# KiCad board SparkFun_BlueSMiRF-ESP32_panelized.kicad_pcb (continued)
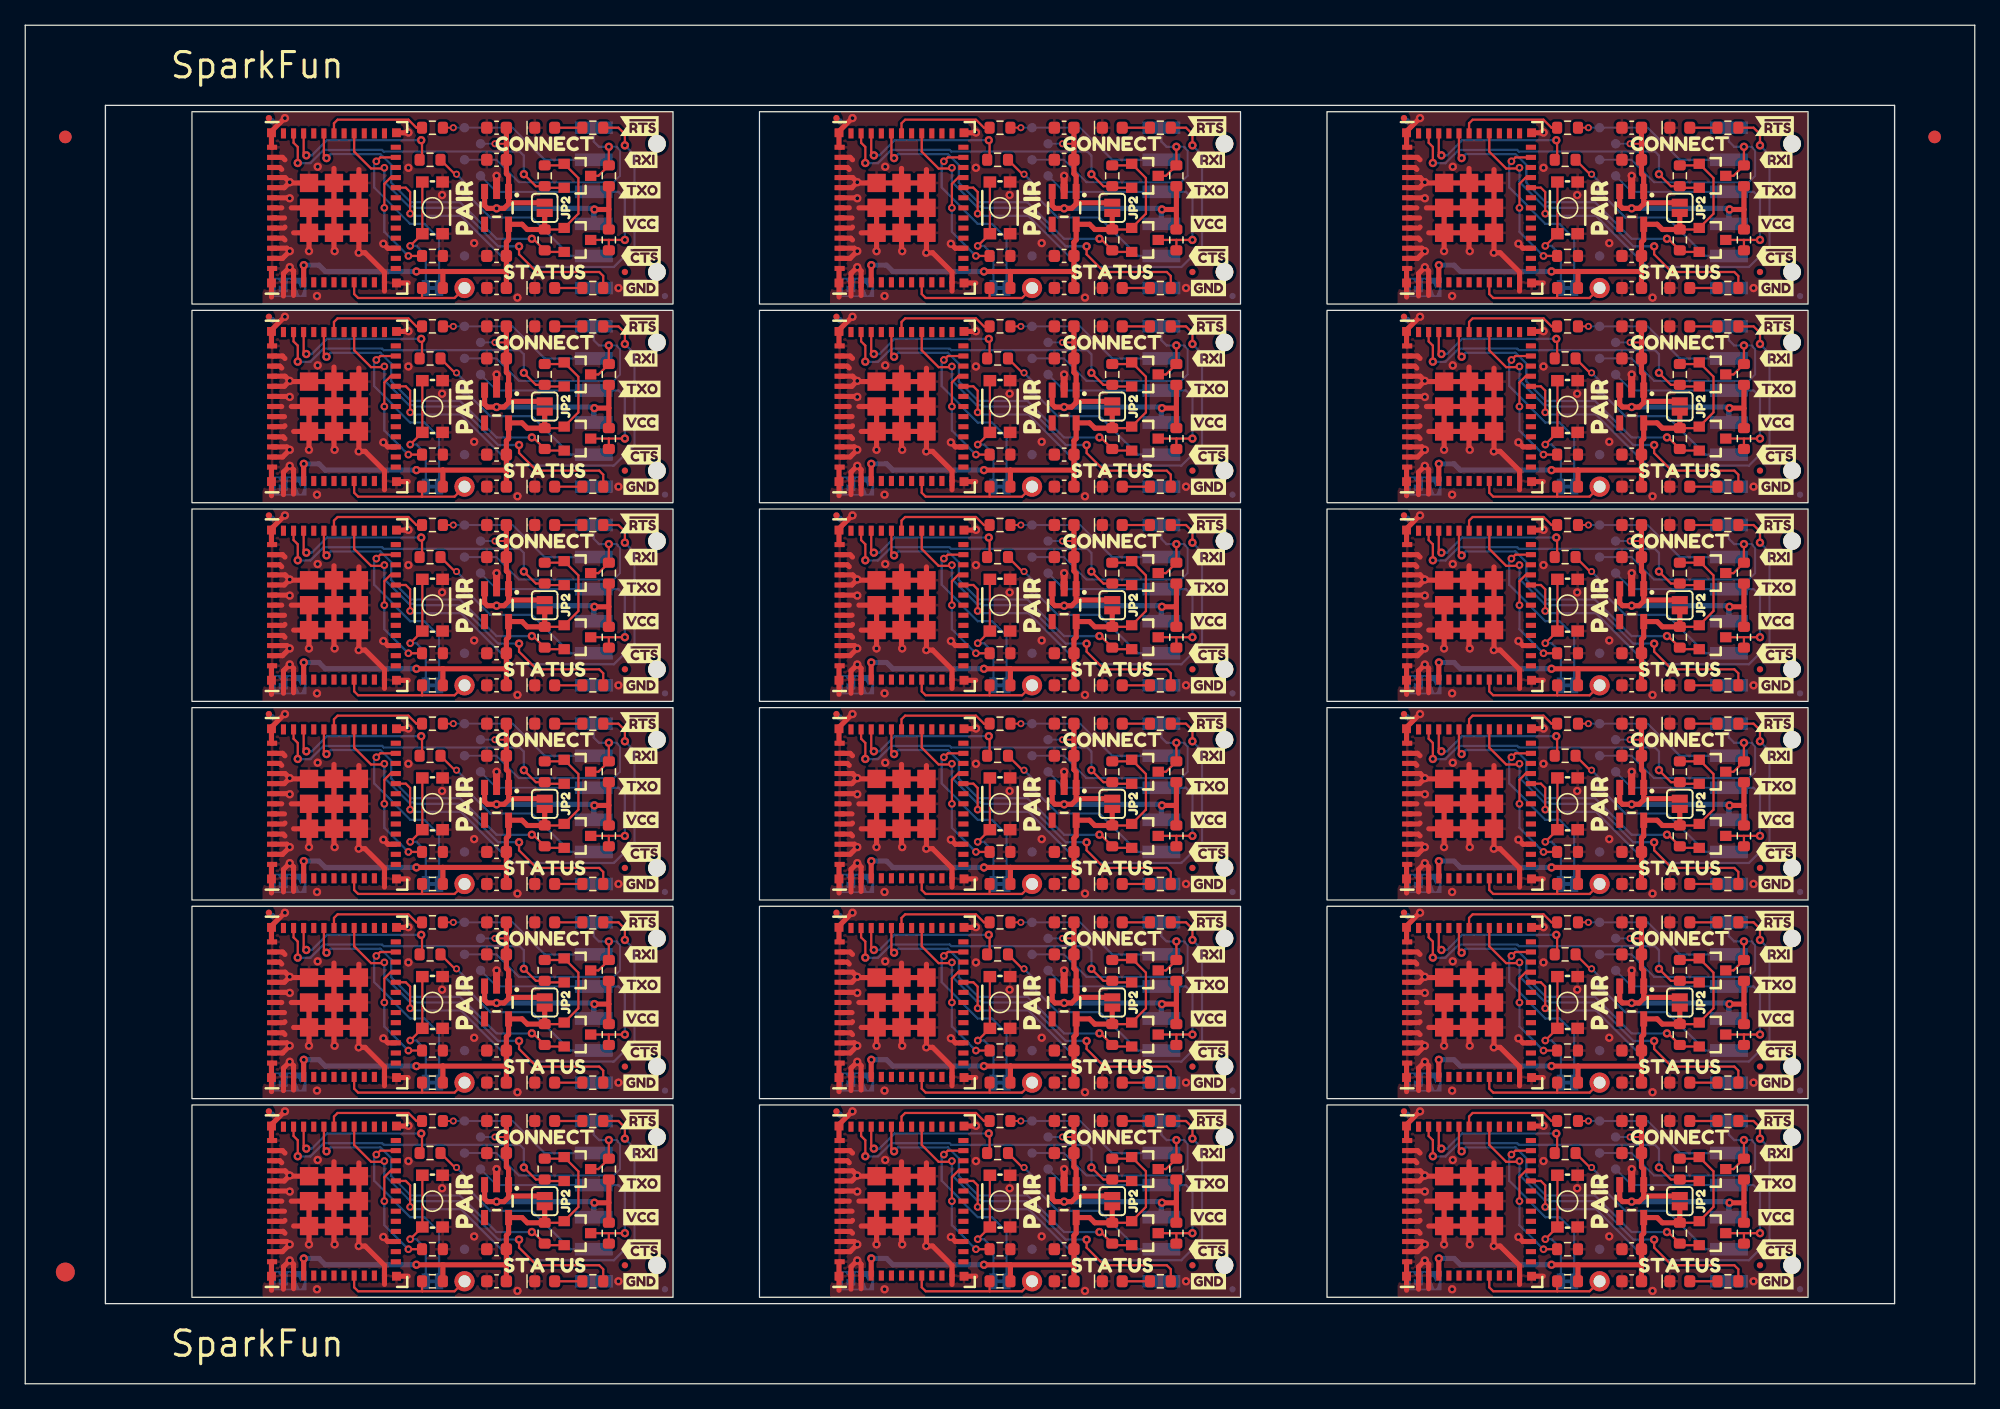
[diagram p0: board, top side]
## Routing (per net, layer and track width the routed paths; a pad name or vN(x,y) marks a point on that pad's centre or on a via; arc(x,y) is an arc through that point) (continued)
  Top w0.406: U1#15.49.2 U1#15.49.9 ; U1#15.49.2 114.35,74.05 v1(114.4,74) ; U1#15.49.2 U1#15.49.3 ; U1#15.49.2 U1#15.49.1 ; U1#15.49.9 U1#15.49.6 ; U1#15.49.9 U1#15.49.4 ; U1#15.49.9 U1#15.49.8 ; U1.49.3 71.38,42.41 v1(71.36,42.39) 71.86,42.39 73.4,40.86 U1.11 73.4,39.36 ; U1.49.3 U1.49.2 ; U1.49.3 U1.49.4 ; v1(28.36,27.37) 28.72,27.01 U1#4.14 ; U1#6.52 120.23,55.74 ; 112.38,59.72 112.38,58.27 v1(112.37,58.26) ; 112.38,59.72 111.16,59.72 ; 112.38,59.72 114.35,59.72 ; 112.38,59.72 U1#6.49.8 ; U1#12.41 65.86,15.27 v1(65.9,15.23) ; U1#10.48 109.4,9.62 U1#10.53 109.4,7.41 ; 69.4,59.72 71.38,59.72 ; 69.4,59.72 69.4,58.31 v1(69.45,58.26) ; 69.4,59.72 67.42,59.72 ; 69.4,59.72 U1#14.49.9 ; 71.38,59.72 U1#14.49.4 ; 71.38,59.72 71.38,58.15 v1(71.36,58.13) 71.86,58.13 73.4,56.6 U1#14.11 73.4,55.1 ; U1#7.49.1 U1#7.49.2 ; U1#7.49.1 111.16,91.2 ; U1#7.49.1 112.38,89.75 v1(112.37,89.74) ; U1#7.49.1 U1#7.49.8 ; U1#7.49.2 114.35,89.79 v1(114.4,89.74) ; U1#7.49.2 U1#7.49.9 ; U1#7.49.2 U1#7.49.3 ; U1#9.49.5 U1#9.49.4 ; U1#9.49.5 U1#9.49.6 ; U1#9.49.5 26.42,80.46 ; U1#9.49.4 U1#9.49.9 ; U1#9.49.4 U1#9.49.3 ; v1(110.85,72.73) 110.35,72.23 U1#15.1 110.35,70.46 ; v1(110.85,72.73) 111.15,72.43 U1#15.2 111.15,70.49 ; v1(110.85,72.73) 110.75,72.63 ; 20.49,44.35 20.57,44.43 ; 67.42,14.47 66.02,14.47 ; 67.42,14.47 U1#12.49.9 ; 67.42,14.47 67.42,12.5 ; v1(65.9,47.98) 65.53,48.35 U1.39 ; v1(65.9,47.98) 65.47,47.55 U1.40 ; v1(65.9,47.98) 65.95,47.93 69.4,47.93 ; v1(65.9,95.2) 65.95,95.15 U1#2.49.6 ; v1(65.9,95.2) 65.53,95.57 U1#2.39 ; v1(65.9,95.2) 65.47,94.77 U1#2.40 ; U1#11.36 19.5,66.54 U1#11.50 19.5,67.76 20.54,68.8 v1(20.57,68.8) ; U1#12.52 75.28,8.52 ; v1(69.45,42.52) 69.4,42.57 U1.49.2 ; U1#12.49.6 U1#12.49.5 ; U1#12.49.6 U1#12.49.9 ; U1#12.49.6 65.95,16.45 v1(65.9,16.5) ; U1#12.49.6 69.4,17.59 ; U1#12.49.5 U1#12.49.4 ; U1#12.49.5 71.38,17.5 ; U1#15.39 110.48,79.83 v1(110.85,79.46) ; U1#16.49.2 U1#16.49.3 ; U1#16.49.2 U1#16.49.9 ; U1#16.49.2 24.45,42.57 v1(24.5,42.52) ; U1#16.49.2 U1#16.49.1 ; U1#16.49.3 26.42,42.41 v1(26.41,42.39) 26.91,42.39 28.45,40.86 U1#16.11 28.45,39.36 ; U1#16.49.3 U1#16.49.4 ; 20.31,80.48 20.16,80.63 U1#9.38 ; 110.47,27.67 110.33,27.81 U1#17.45 ; v1(110.85,16.5) 110.9,16.45 U1#10.49.7 U1#10.49.6 ; v1(110.85,16.5) 110.41,16.07 U1#10.40 ; v1(110.85,16.5) 110.48,16.87 U1#10.39 ; U1#3.36 19.5,19.32 U1#3.50 19.5,20.54 20.54,21.58 v1(20.57,21.58) ; U1#5.49.5 71.38,33.24 ; U1#5.49.5 U1#5.49.4 ; U1#5.49.5 U1#5.49.6 ; 114.35,12.5 114.35,11.09 v1(114.4,11.04) ; 114.35,12.5 116.32,12.5 ; 114.35,12.5 U1#10.49.9 ; 114.35,12.5 112.38,12.5 ; v1(20.95,78.19) 20.91,78.23 U1#9.41 ; U1#3.49.5 26.42,17.5 ; U1#3.49.5 U1#3.49.4 ; U1#3.49.5 U1#3.49.6 ; U1#16.46 20.72,42.75 v1(20.95,42.52) 20.38,41.95 U1#16.47 ; U1#6.41 110.81,62.49 v1(110.85,62.45) ; U1#11.49.6 24.45,64.81 ; U1#11.49.6 U1#11.49.7 21,63.67 v1(20.95,63.72) ; U1#11.49.6 U1#11.49.9 ; U1#11.49.6 U1#11.49.5 ; 64.45,70.37 U1#13.53 64.45,72.58 U1#13.48 ; U1#5.49.4 U1#5.49.9 ; U1#5.49.4 U1#5.49.3 ; v1(20.95,56.99) 20.45,56.49 U1#11.1 20.45,54.72 ; v1(20.95,56.99) 21.25,56.69 U1#11.2 21.25,54.75 ; v1(20.95,56.99) 20.85,56.89 ; v1(20.95,9.77) 21.25,9.47 U1#3.2 21.25,7.53 ; v1(20.95,9.77) 20.45,9.27 U1#3.1 20.45,7.5 ; v1(20.95,9.77) 20.85,9.67 ; U1#17.46 110.62,27.01 v1(110.85,26.78) 110.28,26.21 U1#17.47 ; U1#11.49.5 26.42,64.72 ; U1#11.49.5 U1#11.49.4 ; U1#16.52 30.33,40 ; 65.4,23.24 U1#5.1 65.4,25.01 v1(65.9,25.51) ; U1#3.52 30.33,8.52 ; v1(110.85,47.98) 110.48,48.35 U1#8.39 ; v1(110.85,47.98) 110.9,47.93 114.35,47.93 ; v1(110.85,47.98) 110.41,47.55 U1#8.40 ; U1#16.39 20.58,48.35 v1(20.95,47.98) ; v1(20.57,100.28) 20.54,100.28 19.5,99.24 U1#18.50 19.5,98.02 U1#18.36 ; v1(28.36,11.63) 28.72,11.27 U1#3.14 ; U1#9.49.6 U1#9.49.7 21,79.41 v1(20.95,79.46) ; U1#9.49.6 U1#9.49.9 ; U1#9.49.6 24.45,80.55 ; U1#14.49.4 U1#14.49.9 ; U1#14.49.4 U1#14.49.5 ; U1#14.49.9 67.42,61.69 ; U1#14.49.9 U1#14.49.6 ; 114.35,59.72 U1#6.49.9 ; 114.35,59.72 114.35,58.31 v1(114.4,58.26) ; 114.35,59.72 116.32,59.72 ; U1#6.49.9 U1#6.49.8 ; U1#6.49.9 U1#6.49.4 ; U1#6.49.9 U1#6.49.6 ; U1#17.38 110.06,33.41 110.21,33.26 ; U1.48 64.45,41.1 U1.53 64.45,38.89 ; U1#12.38 65.11,17.67 65.26,17.52 ; 22.47,12.5 24.45,12.5 ; 22.47,12.5 22.47,11.05 v1(22.47,11.04) ; 22.47,12.5 21.26,12.5 ; 22.47,12.5 U1#3.49.8 ; 24.45,12.5 24.45,11.09 v1(24.5,11.04) ; 24.45,12.5 U1#3.49.9 ; 24.45,12.5 26.42,12.5 ; U1#6.49.6 U1#6.49.5 ; U1#6.49.6 114.35,64.81 ; U1#6.49.6 U1#6.49.7 110.9,63.67 v1(110.85,63.72) ; U1#6.49.5 U1#6.49.4 ; U1#6.49.5 116.32,64.72 ; U1#7.49.5 116.32,96.2 ; U1#7.49.5 U1#7.49.6 ; U1#7.49.5 U1#7.49.4 ; U1#18.49.2 U1#18.49.3 ; U1#18.49.2 U1#18.49.1 ; U1#18.49.2 U1#18.49.9 ; U1#18.49.2 24.45,89.79 v1(24.5,89.74) ; U1#18.49.3 U1#18.49.4 ; U1#18.49.3 26.42,89.63 v1(26.41,89.61) 26.91,89.61 28.45,88.08 U1#18.11 28.45,86.58 ; 65.44,12.87 65.52,12.95 ; U1#16.49.4 U1#16.49.9 ; U1#16.49.4 26.42,47.93 ; U1#16.49.9 24.45,47.93 ; U1#16.49.9 U1#16.49.8 ; 24.45,47.93 24.45,49.07 ; 24.45,47.93 26.42,47.93 ; 24.45,47.93 21,47.93 v1(20.95,47.98) ; v1(65.9,32.24) 65.47,31.81 U1#5.40 ; v1(65.9,32.24) 65.95,32.19 U1#5.49.6 ; v1(65.9,32.24) 65.53,32.61 U1#5.39 ; U1#8.49.2 U1#8.49.9 ; U1#8.49.2 114.35,42.57 v1(114.4,42.52) ; U1#8.49.2 U1#8.49.3 ; U1#8.49.2 U1#8.49.1 ; U1#8.49.9 U1#8.49.8 ; U1#8.49.9 U1#8.49.4 ; U1#8.49.9 114.35,47.93 ; U1#3.51 30.45,20.42 ; U1#9.49.1 U1#9.49.8 ; U1#9.49.1 22.47,74.01 v1(22.47,74) ; U1#9.49.1 U1#9.49.2 ; U1#9.49.1 21.26,75.46 ; U1#9.49.8 21.07,77.43 ; U1#9.49.8 U1#9.49.9 ; U1#2.46 65.67,89.97 v1(65.9,89.74) 65.33,89.17 U1#2.47 ; U1#6.43 110.43,60.89 ; 69.4,12.5 71.38,12.5 ; 69.4,12.5 U1#12.49.9 ; 69.4,12.5 67.42,12.5 ; 69.4,12.5 69.4,11.09 v1(69.45,11.04) ; 71.38,12.5 U1#12.49.4 ; 71.38,12.5 71.38,10.93 v1(71.36,10.91) 71.86,10.91 73.4,9.38 U1#12.11 73.4,7.88 ; U1#4.49.2 24.45,26.83 v1(24.5,26.78) ; U1#4.49.2 U1#4.49.3 ; U1#4.49.2 U1#4.49.9 ; U1#4.49.2 U1#4.49.1 ; 26.42,59.72 26.42,58.15 v1(26.41,58.13) 26.91,58.13 28.45,56.6 U1#11.11 28.45,55.1 ; 26.42,59.72 U1#11.49.4 ; 26.42,59.72 24.45,59.72 ; U1#10.37 110.28,18.47 110.47,18.28 ; U1#14.38 65.11,64.89 65.26,64.74 ; 20.31,64.74 20.16,64.89 U1#11.38 ; U1#9.49.2 U1#9.49.3 ; U1#9.49.2 24.45,74.05 v1(24.5,74) ; U1#9.49.2 U1#9.49.9 ; U1#9.49.3 26.42,73.89 v1(26.41,73.87) 26.91,73.87 28.45,72.34 U1#9.11 28.45,70.84 ; v1(65.52,53.06) 65.49,53.06 64.45,52.02 U1.50 64.45,50.8 U1.36 ; U1#5.52 75.28,24.26 ; U1#2.49.4 U1#2.49.3 ; U1#2.49.4 U1#2.49.5 ; U1#2.49.4 U1#2.49.9 ; U1#2.49.3 U1#2.49.2 ; U1#2.49.3 71.38,89.63 v1(71.36,89.61) 71.86,89.61 73.4,88.08 U1#2.11 73.4,86.58 ; U1#12.49.4 U1#12.49.9 ; v1(65.52,68.8) 65.49,68.8 64.45,67.76 U1#14.50 64.45,66.54 U1#14.36 ; v1(110.85,9.77) 110.35,9.27 U1#10.1 110.35,7.5 ; v1(110.85,9.77) 111.15,9.47 U1#10.2 111.15,7.53 ; v1(110.85,9.77) 110.75,9.67 ; 21.25,86.23 U1#18.2 21.25,88.17 v1(20.95,88.47) ; U1#17.43 110.43,29.41 ; 110.39,91.57 110.47,91.65 ; 67.42,28.24 67.42,26.79 v1(67.42,26.78) ; 67.42,28.24 66.21,28.24 ; 67.42,28.24 U1#5.49.2 ; 67.42,28.24 67.42,30.21 ; U1#14.49.5 71.38,64.72 ; U1#14.49.5 U1#14.49.6 ; 21.25,70.49 U1#9.2 21.25,72.43 v1(20.95,72.73) ; U1.49.2 U1.49.9 ; U1.49.2 67.42,43.98 ; 20.31,33.26 20.16,33.41 U1#4.38 ; U1#14.43 65.48,60.89 ; U1#6.48 109.4,56.84 U1#6.53 109.4,54.63 ; U1#3.49.9 U1#3.49.8 ; U1#3.49.9 U1#3.49.4 ; U1#3.49.9 U1#3.49.6 ; U1#3.49.8 21.07,14.47 ; v1(65.9,41.25) 65.4,40.75 U1.1 65.4,38.98 ; v1(65.9,41.25) 65.8,41.15 ; v1(65.9,41.25) 66.2,40.95 U1.2 66.2,39.01 ; 110.35,86.2 U1#7.1 110.35,87.97 v1(110.85,88.47) ; U1#18.52 30.33,87.22 ; U1#11.52 30.33,55.74 ; U1#13.41 65.86,78.23 v1(65.9,78.19) ; U1#2.49.5 71.38,96.2 ; U1#2.49.5 U1#2.49.6 ; v1(118.26,11.63) 118.62,11.27 U1#10.14 ; U1#18.45 20.43,90.77 20.57,90.63 ; U1#16.49.1 21.26,43.98 ; U1#16.49.1 22.47,42.53 v1(22.47,42.52) ; U1#16.49.1 U1#16.49.8 ; U1#15.49.6 U1#15.49.7 110.9,79.41 v1(110.85,79.46) ; U1#15.49.6 U1#15.49.5 ; U1#15.49.6 114.35,80.55 ; U1#18.49.8 21.07,93.17 ; U1#18.49.8 U1#18.49.1 ; U1#18.49.8 U1#18.49.9 ; U1#17.49.4 U1#17.49.9 ; U1#17.49.4 U1#17.49.3 ; U1#17.49.4 U1#17.49.5 ; U1#17.49.9 U1#17.49.2 ; U1#17.49.9 U1#17.49.8 ; U1#17.49.9 U1#17.49.6 ; U1#15.52 120.23,71.48 ; v1(69.45,74) 69.4,74.05 U1#13.49.2 ; U1#7.49.9 U1#7.49.6 ; U1#7.49.9 U1#7.49.8 ; U1#7.49.9 U1#7.49.4 ; U1#7.49.6 U1#7.49.7 110.9,95.15 v1(110.85,95.2) ; U1#7.49.6 114.35,96.29 ; U1#15.49.8 110.97,77.43 ; U1#15.49.8 U1#15.49.1 ; 24.45,59.72 U1#11.49.9 ; 24.45,59.72 22.47,59.72 ; 24.45,59.72 24.45,58.31 v1(24.5,58.26) ; U1#11.49.9 U1#11.49.8 ; U1#11.49.9 U1#11.49.4 ; U1#4.48 19.5,25.36 U1#4.53 19.5,23.15 ; U1#6.42 110.21,61.69 ; U1#17.49.6 114.35,33.33 ; U1#17.49.6 U1#17.49.5 ; U1#17.49.6 U1#17.49.7 110.9,32.19 v1(110.85,32.24) ; U1#4.37 20.38,34.21 20.57,34.02 ; U1#17.48 109.4,25.36 U1#17.53 109.4,23.15 ; U1#5.51 75.4,36.16 ; U1#4.36 19.5,35.06 U1#4.50 19.5,36.28 20.54,37.32 v1(20.57,37.32) ; 66.2,86.23 U1#2.2 66.2,88.17 v1(65.9,88.47) ; v1(110.85,88.47) 111.15,88.17 U1#7.2 111.15,86.23 ; v1(110.85,88.47) 110.75,88.37 ; 110.39,28.61 110.47,28.69 ; v1(73.31,43.11) 73.67,42.75 U1.14 ; 66.2,54.75 U1#14.2 66.2,56.69 v1(65.9,56.99) ; U1.49.9 U1.49.4 ; U1.49.9 67.42,45.95 ; U1.49.9 69.4,47.93 ; v1(65.9,46.71) 65.86,46.75 U1.41 ; U1#2.44 65.26,91.57 ; 67.42,75.46 U1#13.49.2 ; 67.42,75.46 66.21,75.46 ; 67.42,75.46 67.42,77.43 ; 67.42,75.46 67.42,74.01 v1(67.42,74) ; U1#13.49.2 U1#13.49.9 ; U1#13.49.2 U1#13.49.3 ; v1(110.85,79.46) 110.41,79.03 U1#15.40 ; 67.42,91.2 67.42,93.17 ; 67.42,91.2 66.21,91.2 ; 67.42,91.2 U1#2.49.2 ; 67.42,91.2 67.42,89.75 v1(67.42,89.74) ; 67.42,93.17 66.02,93.17 ; 67.42,93.17 U1#2.49.9 ; 26.42,47.93 26.42,48.98 ; U1#18.49.1 22.47,89.75 v1(22.47,89.74) ; U1#18.49.1 21.26,91.2 ; v1(20.57,53.06) 20.54,53.06 19.5,52.02 U1#16.50 19.5,50.8 U1#16.36 ; U1#9.42 20.31,77.43 ; v1(20.95,95.2) 21,95.15 U1#18.49.7 U1#18.49.6 ; v1(20.95,95.2) 20.58,95.57 U1#18.39 ; v1(20.95,95.2) 20.51,94.77 U1#18.40 ; U1#6.49.8 110.97,61.69 ; U1.42 65.26,45.95 ; U1#7.49.4 U1#7.49.3 ; U1#7.49.3 116.32,89.63 v1(116.31,89.61) 116.81,89.61 118.35,88.08 U1#7.11 118.35,86.58 ; 20.57,81.24 20.38,81.43 U1#9.37 ; U1#3.44 20.31,12.87 ; U1.45 65.38,43.55 65.52,43.41 ; U1.49.4 71.38,47.93 ; 20.57,65.5 20.38,65.69 U1#11.37 ; 110.47,90.63 110.33,90.77 U1#7.45 ; 20.85,25.41 v1(20.95,25.51) ; v1(20.95,25.51) 20.45,25.01 U1#4.1 20.45,23.24 ; v1(20.95,25.51) 21.25,25.21 U1#4.2 21.25,23.27 ; U1#15.49.5 U1#15.49.4 ; U1#15.49.5 116.32,80.46 ; U1#15.49.4 U1#15.49.3 ; U1#18.49.4 U1#18.49.5 ; U1#18.49.4 U1#18.49.9 ; U1#2.43 65.48,92.37 ; U1#3.40 20.51,16.07 v1(20.95,16.5) ; U1#17.49.2 U1#17.49.3 ; U1#17.49.2 U1#17.49.1 ; U1#17.49.2 114.35,26.83 v1(114.4,26.78) ; U1#18.49.5 26.42,96.2 ; U1#18.49.5 U1#18.49.6 ; 118.35,55.1 U1#6.11 118.35,56.6 116.81,58.13 v1(116.31,58.13) 116.32,58.15 116.32,59.72 ; U1#18.38 20.16,96.37 20.31,96.22 ; U1#2.49.2 U1#2.49.9 ; U1#2.49.2 69.4,89.79 v1(69.45,89.74) ; U1#8.49.8 110.97,45.95 ; U1#8.49.8 U1#8.49.1 ; 19.5,7.41 U1#3.53 19.5,9.62 U1#3.48 ; 110.47,81.24 110.28,81.43 U1#15.37 ; 20.57,27.67 20.43,27.81 U1#4.45 ; 20.31,17.52 20.16,17.67 U1#3.38 ; 116.32,12.5 U1#10.49.4 ; 116.32,12.5 116.32,10.93 v1(116.31,10.91) 116.81,10.91 118.35,9.38 U1#10.11 118.35,7.88 ; v1(73.31,27.37) 73.67,27.01 U1#5.14 ; U1#14.14 73.67,58.49 v1(73.31,58.85) ; U1#8.41 110.81,46.75 v1(110.85,46.71) ; U1#5.49.6 69.4,33.33 ; U1#5.49.6 U1#5.49.9 ; U1#18.49.6 24.45,96.29 ; U1#18.49.6 U1#18.49.9 ; 20.57,11.93 20.43,12.07 U1#3.45 ; 67.42,61.69 66.02,61.69 ; 67.42,61.69 67.42,59.72 ; U1#8.49.4 U1#8.49.3 ; U1#8.49.4 116.32,47.93 ; 65.52,74.89 65.38,75.03 U1#13.45 ; U1#17.39 110.48,32.61 v1(110.85,32.24) ; 20.57,96.98 20.38,97.17 U1#18.37 ; v1(20.95,79.46) 20.51,79.03 U1#9.40 ; v1(20.95,79.46) 20.58,79.83 U1#9.39 ; U1#16.37 20.38,49.95 20.57,49.76 ; U1#6.49.4 116.32,59.72 ; v1(110.85,41.25) 111.15,40.95 U1#8.2 111.15,39.01 ; v1(110.85,41.25) 110.35,40.75 U1#8.1 110.35,38.98 ; v1(110.85,41.25) 110.75,41.15 ; v1(65.9,56.99) 65.4,56.49 U1#14.1 65.4,54.72 ; v1(65.9,56.99) 65.8,56.89 ; U1#14.37 65.33,65.69 65.52,65.5 ; U1#12.40 65.47,16.07 v1(65.9,16.5) ; U1#4.49.5 26.42,33.24 ; U1#4.49.5 U1#4.49.4 ; U1#4.49.5 U1#4.49.6 ; U1#4.42 20.31,30.21 ; U1#2.45 65.38,90.77 65.52,90.63 ; U1#12.45 65.38,12.07 65.52,11.93 ; U1#7.49.8 110.97,93.17 ; U1#15.51 120.35,83.38 ; U1.46 65.67,42.75 v1(65.9,42.52) 65.33,41.95 U1.47 ; U1#3.41 20.91,15.27 v1(20.95,15.23) ; U1#16.49.8 21.07,45.95 ; v1(65.9,88.47) 65.4,87.97 U1#2.1 65.4,86.2 ; v1(65.9,88.47) 65.8,88.37 ; U1#13.49.9 67.42,77.43 ; U1#13.49.9 U1#13.49.4 ; U1#13.49.9 U1#13.49.6 ; 118.35,39.36 U1#8.11 118.35,40.86 116.81,42.39 v1(116.31,42.39) 116.32,42.41 U1#8.49.3 ; 64.45,54.63 U1#14.53 64.45,56.84 U1#14.48 ; U1#13.49.6 65.95,79.41 v1(65.9,79.46) ; U1#13.49.6 69.4,80.55 ; U1#13.49.6 U1#13.49.5 ; 65.26,80.48 65.11,80.63 U1#13.38 ; U1#13.14 73.67,74.23 v1(73.31,74.59) ; v1(110.47,21.58) 110.44,21.58 109.4,20.54 U1#10.50 109.4,19.32 U1#10.36 ; 71.38,47.93 69.4,47.93 ; 71.38,47.93 71.38,48.98 ; v1(20.95,62.45) 20.91,62.49 U1#11.41 ; 110.39,12.87 110.47,12.95 ; U1#5.49.2 69.4,26.83 v1(69.45,26.78) ; U1#5.49.2 U1#5.49.9 ; U1#5.49.2 U1#5.49.3 ; U1#5.43 65.48,29.41 ; U1#15.49.3 116.32,73.89 v1(116.31,73.87) 116.81,73.87 118.35,72.34 U1#15.11 118.35,70.84 ; 65.52,27.67 65.38,27.81 U1#5.45 ; 22.47,59.72 22.47,58.27 v1(22.47,58.26) ; 22.47,59.72 U1#11.49.8 ; 22.47,59.72 21.26,59.72 ; 20.45,38.98 U1#16.1 20.45,40.75 v1(20.95,41.25) ; U1#5.49.9 67.42,30.21 ; 67.42,30.21 66.02,30.21 ; U1#2.49.6 69.4,96.29 ; U1#2.49.6 U1#2.49.9 ; U1#2.38 65.11,96.37 65.26,96.22 ; U1#16.43 20.53,45.15 ; v1(110.47,84.54) 110.44,84.54 109.4,83.5 U1#15.50 109.4,82.28 U1#15.36 ; v1(67.42,58.26) 67.42,58.27 67.42,59.72 ; U1#16.48 19.5,41.1 U1#16.53 19.5,38.89 ; v1(112.37,74) 112.38,74.01 U1#15.49.1 ; 111.15,23.27 U1#17.2 111.15,25.21 v1(110.85,25.51) ; v1(20.95,47.98) 20.51,47.55 U1#16.40 ; v1(110.85,63.72) 110.41,63.29 U1#6.40 ; v1(110.85,63.72) 110.48,64.09 U1#6.39 ; U1#2.37 65.33,97.17 65.52,96.98 ; v1(112.37,26.78) 112.38,26.79 U1#17.49.1 ; v1(65.9,79.46) 65.47,79.03 U1#13.40 ; v1(65.9,79.46) 65.53,79.83 U1#13.39 ; 114.35,47.93 116.32,47.93 ; 114.35,47.93 114.35,49.07 ; 67.42,12.5 67.42,11.05 v1(67.42,11.04) ; 67.42,12.5 66.21,12.5 ; U1#14.49.6 69.4,64.81 ; U1#14.49.6 65.95,63.67 v1(65.9,63.72) ; v1(20.95,63.72) 20.51,63.29 U1#11.40 ; v1(20.95,63.72) 20.58,64.09 U1#11.39 ; U1#17.49.3 116.32,26.67 v1(116.31,26.65) 116.81,26.65 118.35,25.12 U1#17.11 118.35,23.62 ; U1#6.14 118.62,58.49 v1(118.26,58.85) ; U1#10.41 110.81,15.27 v1(110.85,15.23) ; U1#18.46 20.72,89.97 v1(20.95,89.74) 20.38,89.17 U1#18.47 ; U1#18.51 30.45,99.12 ; v1(65.9,63.72) 65.47,63.29 U1#14.40 ; v1(65.9,63.72) 65.53,64.09 U1#14.39 ; U1#3.49.6 24.45,17.59 ; U1#3.49.6 U1#3.49.7 21,16.45 v1(20.95,16.5) ; U1#11.49.8 21.07,61.69 ; U1#17.49.1 U1#17.49.8 ; U1#17.49.1 111.16,28.24 ; U1#4.49.4 U1#4.49.3 ; U1#4.49.4 U1#4.49.9 ; U1#4.49.3 26.42,26.67 v1(26.41,26.65) 26.91,26.65 28.45,25.12 U1#4.11 28.45,23.62 ; 67.42,77.43 66.02,77.43 ; 110.47,59.15 110.33,59.29 U1#6.45 ; U1#9.44 20.31,75.83 ; U1#15.38 110.06,80.63 110.21,80.48 ; U1#7.14 118.62,89.97 v1(118.26,90.33) ; 19.5,86.11 U1#18.53 19.5,88.32 U1#18.48 ; U1#15.47 110.28,73.43 v1(110.85,74) 110.62,74.23 U1#15.46 ; v1(65.52,84.54) 65.49,84.54 64.45,83.5 U1#13.50 64.45,82.28 U1#13.36 ; U1#10.49.6 114.35,17.59 ; U1#10.49.6 U1#10.49.9 ; U1#10.49.6 U1#10.49.5 ; U1.51 75.4,51.9 ; U1#4.49.9 U1#4.49.6 ; U1#4.49.9 U1#4.49.8 ; U1#10.49.5 116.32,17.5 ; U1#10.49.5 U1#10.49.4 ; U1#17.49.8 110.97,30.21 ; 112.38,12.5 112.38,11.05 v1(112.37,11.04) ; 112.38,12.5 111.16,12.5 ; 112.38,12.5 U1#10.49.8 ; v1(110.85,25.51) 110.35,25.01 U1#17.1 110.35,23.24 ; v1(110.85,25.51) 110.75,25.41 ; U1#9.14 28.72,74.23 v1(28.36,74.59) ; 116.32,47.93 116.32,48.98 ; U1#3.43 20.53,13.67 ; U1#13.47 65.33,73.43 v1(65.9,74) 65.67,74.23 U1#13.46 ; v1(20.57,84.54) 20.54,84.54 19.5,83.5 U1#9.50 19.5,82.28 U1#9.36 ; U1#13.52 75.28,71.48 ; v1(110.85,56.99) 111.15,56.69 U1#6.2 111.15,54.75 ; v1(110.85,56.99) 110.35,56.49 U1#6.1 110.35,54.72 ; v1(110.85,56.99) 110.75,56.89 ; 20.85,41.15 v1(20.95,41.25) ; v1(20.95,41.25) 21.25,40.95 U1#16.2 21.25,39.01 ; 20.85,72.63 v1(20.95,72.73) ; v1(20.95,72.73) 20.45,72.23 U1#9.1 20.45,70.46 ; v1(110.85,32.24) 110.41,31.81 U1#17.40 ; U1#13.51 75.4,83.38 ; U1#7.43 110.43,92.37 ; U1#10.49.9 U1#10.49.8 ; U1#10.49.9 U1#10.49.4 ; U1#10.49.8 110.97,14.47 ; U1#15.14 118.62,74.23 v1(118.26,74.59) ; 110.21,64.74 110.06,64.89 U1#6.38 ; 109.4,70.37 U1#15.53 109.4,72.58 U1#15.48 ; U1#2.48 64.45,88.32 U1#2.53 64.45,86.11 ; 109.4,38.89 U1#8.53 109.4,41.1 U1#8.48 ; U1#11.45 20.43,59.29 20.57,59.15 ; v1(110.47,53.06) 110.44,53.06 109.4,52.02 U1#8.50 109.4,50.8 U1#8.36 ; U1#4.49.1 U1#4.49.8 ; U1#4.49.1 22.47,26.79 v1(22.47,26.78) ; U1#4.49.1 21.26,28.24 ; U1#4.49.8 21.07,30.21 ; 19.5,70.37 U1#9.53 19.5,72.58 U1#9.48 ; U1#10.51 120.35,20.42 ; U1#5.44 65.26,28.61 ; v1(65.9,93.93) 65.86,93.97 U1#2.41 ; 69.4,47.93 69.4,49.07 ; v1(28.36,58.85) 28.72,58.49 U1#11.14 ; 26.42,12.5 26.42,10.93 v1(26.41,10.91) 26.91,10.91 28.45,9.38 U1#3.11 28.45,7.88 ; 26.42,12.5 U1#3.49.4 ; 66.2,7.53 U1#12.2 66.2,9.47 v1(65.9,9.77) ; U1#16.45 20.43,43.55 20.57,43.41 ; U1#12.48 64.45,9.62 U1#12.53 64.45,7.41 ; v1(65.9,9.77) 65.4,9.27 U1#12.1 65.4,7.5 ; v1(65.9,9.77) 65.8,9.67 ; U1#16.42 20.31,45.95 ; 20.57,74.89 20.43,75.03 U1#9.45 ; U1#17.42 110.21,30.21 ; v1(118.26,27.37) 118.62,27.01 U1#17.14 ; U1#4.41 20.91,31.01 v1(20.95,30.97) ; U1#13.49.3 71.38,73.89 v1(71.36,73.87) 71.86,73.87 73.4,72.34 U1#13.11 73.4,70.84 ; U1#13.49.3 U1#13.49.4 ; U1#17.36 109.4,35.06 U1#17.50 109.4,36.28 110.44,37.32 v1(110.47,37.32) ; v1(112.37,42.52) 112.38,42.53 U1#8.49.1 ; U1#17.52 120.23,24.26 ; U1#4.49.6 24.45,33.33 ; U1#4.49.6 U1#4.49.7 21,32.19 v1(20.95,32.24) ; 65.8,25.41 v1(65.9,25.51) ; v1(65.9,25.51) 66.2,25.21 U1#5.2 66.2,23.27 ; 110.39,44.35 110.47,44.43 ; v1(65.52,37.32) 65.49,37.32 64.45,36.28 U1#5.50 64.45,35.06 U1#5.36 ; U1#7.52 120.23,87.22 ; U1#12.14 73.67,11.27 v1(73.31,11.63) ; v1(28.36,43.11) 28.72,42.75 U1#16.14 ; U1#9.51 30.45,83.38 ; U1#18.44 20.31,91.57 ; v1(20.95,32.24) 20.51,31.81 U1#4.40 ; v1(20.95,32.24) 20.58,32.61 U1#4.39 ; 66.2,70.49 U1#13.2 66.2,72.43 v1(65.9,72.73) ; 67.42,45.95 66.02,45.95 ; 67.42,45.95 67.42,43.98 ; U1#17.49.5 116.32,33.24 ; 110.39,60.09 110.47,60.17 ; U1#7.41 110.81,93.97 v1(110.85,93.93) ; U1#5.37 65.33,34.21 65.52,34.02 ; U1#11.43 20.53,60.89 ; U1#13.44 65.26,75.83 ; U1.44 65.26,44.35 ; v1(28.36,90.33) 28.72,89.97 U1#18.14 ; 110.21,49 110.06,49.15 U1#8.38 ; v1(110.47,100.28) 110.44,100.28 109.4,99.24 U1#7.50 109.4,98.02 U1#7.36 ; 20.57,18.28 20.38,18.47 U1#3.37 ; U1#8.37 110.28,49.95 110.47,49.76 ; 65.44,60.09 65.52,60.17 ; v1(110.85,95.2) 110.41,94.77 U1#7.40 ; v1(110.85,95.2) 110.48,95.57 U1#7.39 ; 20.49,60.09 20.57,60.17 ; U1#11.42 20.31,61.69 ; 67.42,43.98 67.42,42.53 v1(67.42,42.52) ; 67.42,43.98 66.21,43.98 ; U1#13.42 65.26,77.43 ; U1#5.47 65.33,26.21 v1(65.9,26.78) 65.67,27.01 U1#5.46 ; U1#13.49.5 U1#13.49.4 ; U1#13.49.5 71.38,80.46 ; U1#2.14 73.67,89.97 v1(73.31,90.33) ; U1.38 65.11,49.15 65.26,49 ; v1(65.9,16.5) 65.53,16.87 U1#12.39 ; U1#3.47 20.38,10.47 v1(20.95,11.04) 20.72,11.27 U1#3.46 ; U1#12.47 65.33,10.47 v1(65.9,11.04) 65.67,11.27 U1#12.46 ; 20.49,75.83 20.57,75.91 ; U1#7.42 110.21,93.17 ; U1#14.52 75.28,55.74 ; U1#10.38 110.06,17.67 110.21,17.52 ; U1#8.43 110.43,45.15 ; U1#4.47 20.38,26.21 v1(20.95,26.78) 20.72,27.01 U1#4.46 ; 67.42,59.72 66.21,59.72 ; U1#15.49.1 111.16,75.46 ; U1#14.44 65.26,60.09 ; U1#14.41 65.86,62.49 v1(65.9,62.45) ; U1#15.45 110.33,75.03 110.47,74.89 ; U1#6.37 110.28,65.69 110.47,65.5 ; v1(65.9,72.73) 65.8,72.63 ; v1(65.9,72.73) 65.4,72.23 U1#13.1 65.4,70.46 ; 19.5,54.63 U1#11.53 19.5,56.84 U1#11.48 ; U1#2.51 75.4,99.12 ; U1#5.49.3 71.38,26.67 v1(71.36,26.65) 71.86,26.65 73.4,25.12 U1#5.11 73.4,23.62 ; U1#3.42 20.31,14.47 ; U1#9.52 30.33,71.48 ; U1#5.38 65.11,33.41 65.26,33.26 ; 20.31,49 20.16,49.15 U1#16.38 ; U1#18.42 20.31,93.17 ; U1#8.49.1 111.16,43.98 ; U1#7.47 110.28,89.17 v1(110.85,89.74) 110.62,89.97 U1#7.46 ; U1#10.43 110.43,13.67 ; v1(20.95,46.71) 20.91,46.75 U1#16.41 ; 65.52,49.76 65.33,49.95 U1.37 ; U1#6.46 110.62,58.49 v1(110.85,58.26) 110.28,57.69 U1#6.47 ; U1#10.42 110.21,14.47 ; U1#2.36 64.45,98.02 U1#2.50 64.45,99.24 65.49,100.28 v1(65.52,100.28) ; U1#8.14 118.62,42.75 v1(118.26,43.11) ; v1(110.85,78.19) 110.81,78.23 U1#15.41 ; 20.49,91.57 20.57,91.65 ; 65.44,91.57 65.52,91.65 ; U1#17.37 110.28,34.21 110.47,34.02 ; U1#10.47 110.28,10.47 v1(110.85,11.04) 110.62,11.27 U1#10.46 ; 20.45,86.2 U1#18.1 20.45,87.97 v1(20.95,88.47) ; U1#10.52 120.23,8.52 ; U1#8.52 120.23,40 ; U1#9.43 20.53,76.63 ; U1#2.52 75.28,87.22 ; v1(110.85,30.97) 110.81,31.01 U1#17.41 ; U1#11.47 20.38,57.69 v1(20.95,58.26) 20.72,58.49 U1#11.46 ; 65.52,59.15 65.38,59.29 U1#14.45 ; U1#14.46 65.67,58.49 v1(65.9,58.26) 65.33,57.69 U1#14.47 ; v1(20.95,16.5) 20.58,16.87 U1#3.39 ; U1#7.44 110.21,91.57 ; U1#7.37 110.28,97.17 110.47,96.98 ; U1#12.42 65.26,14.47 ; U1#4.52 30.33,24.26 ; v1(20.95,88.47) 20.85,88.37 ; 64.45,23.15 U1#5.53 64.45,25.36 U1#5.48 ; 65.44,44.35 65.52,44.43 ; 110.21,96.22 110.06,96.37 U1#7.38 ; U1#2.42 65.26,93.17 ; v1(20.95,93.93) 20.91,93.97 U1#18.41 ; 65.52,81.24 65.33,81.43 U1#13.37 ; U1#14.51 75.4,67.64 ; U1#10.44 110.21,12.87 ; U1#8.46 110.62,42.75 v1(110.85,42.52) 110.28,41.95 U1#8.47 ; 65.44,28.61 65.52,28.69 ; U1#10.45 110.33,12.07 110.47,11.93 ; U1#12.37 65.33,18.47 65.52,18.28 ; U1#12.51 75.4,20.42 ; U1#17.51 120.35,36.16 ; U1#8.44 110.21,44.35 ; U1#15.44 110.21,75.83 ; U1#13.43 65.48,76.63 ; U1#5.41 65.86,31.01 v1(65.9,30.97) ; U1#7.48 109.4,88.32 U1#7.53 109.4,86.11 ; 110.47,43.41 110.33,43.55 U1#8.45 ; 110.39,75.83 110.47,75.91 ; U1#11.51 30.45,67.64 ; v1(110.47,68.8) 110.44,68.8 109.4,67.76 U1#6.50 109.4,66.54 U1#6.36 ; U1#17.44 110.21,28.61 ; U1#16.51 30.45,51.9 ; U1#9.47 20.38,73.43 v1(20.95,74) 20.72,74.23 U1#9.46 ; U1#5.42 65.26,30.21 ; v1(65.52,21.58) 65.49,21.58 64.45,20.54 U1#12.50 64.45,19.32 U1#12.36 ; U1#18.43 20.53,92.37 ; U1#8.42 110.21,45.95 ; U1#7.51 120.35,99.12 ; 20.49,12.87 20.57,12.95 ; U1#12.43 65.48,13.67 ; U1#15.42 110.21,77.43 ; U1.43 65.48,45.15 ; U1#16.44 20.31,44.35 ; U1#12.44 65.26,12.87 ; U1.52 75.28,40 ; 20.49,28.61 20.57,28.69 ; U1#4.43 20.53,29.41 ; U1#11.44 20.31,60.09 ; U1#4.51 30.45,36.16 ; U1#8.51 120.35,51.9 ; U1#14.42 65.26,61.69 ; U1#6.44 110.21,60.09 ; 65.44,75.83 65.52,75.91 ; U1#15.43 110.43,76.63 ; U1#6.51 120.35,67.64 ; U1#4.44 20.31,28.61
  Top w0.559: U2#12.2 v1(127.23,95.71) ; U2#18.2 v1(127.23,64.23) ; U2#5.2 v1(82.28,95.71) ; U2#14.2 v1(82.28,48.49) ; U2#3.2 v1(37.33,32.75) ; U2#9.2 v1(37.33,17.01) ; U2#15.2 v1(127.23,17.01) ; U2#11.2 v1(37.33,79.97) ; U2#17.2 v1(82.28,32.75) ; U2.2 v1(37.33,48.49) ; U2#2.2 v1(82.28,17.01) ; U2#8.2 v1(37.33,95.71) ; U2#6.2 v1(127.23,32.75) ; U2#16.2 v1(37.33,64.23) ; U2#13.2 v1(127.23,79.97) ; U2#4.2 v1(82.28,79.97) ; U2#10.2 v1(82.28,64.23) ; U2#7.2 v1(127.23,48.49)
  vias: v1(23.11,86.19) v1(23.11,70.45) v1(23.11,54.71) v1(23.11,38.97) v1(23.11,23.23) v1(23.11,7.49) v1(23.16,96.43) v1(23.16,80.69) v1(23.16,64.95) v1(23.16,49.21) v1(23.16,33.47) v1(23.16,17.73) v1(30.34,99.14) v1(30.34,96.34) v1(30.34,83.4) v1(30.34,80.61) v1(30.34,67.66) v1(30.34,64.87) v1(30.34,51.92) v1(30.34,49.12) v1(30.34,36.18) v1(30.34,33.39) v1(30.34,20.44) v1(30.34,17.65) v1(33.01,94.19) v1(33.01,78.45) v1(33.01,62.71) v1(33.01,46.97) v1(33.01,31.23) v1(33.01,15.49) v1(35.55,90.38) v1(35.55,74.64) v1(35.55,58.9) v1(35.55,43.16) v1(35.55,27.42) v1(35.55,11.68) v1(38.98,86.06) v1(38.98,70.32) v1(38.98,54.58) v1(38.98,38.84) v1(38.98,23.1) v1(38.98,7.36) v1(46.98,86.82) v1(46.98,71.08) v1(46.98,55.34) v1(46.98,39.6) v1(46.98,23.86) v1(46.98,8.12) v1(68.11,96.43) v1(68.06,86.19) v1(68.11,80.69) v1(68.06,70.45) v1(68.11,64.95) v1(68.06,54.71) v1(68.11,49.21) v1(68.06,38.97) v1(68.11,33.47) v1(68.06,23.23) v1(68.11,17.73) v1(68.06,7.49) v1(75.29,99.14) v1(75.29,96.34) v1(75.29,83.4) v1(75.29,80.61) v1(75.29,67.66) v1(75.29,64.87) v1(75.29,51.92) v1(75.29,49.12) v1(75.29,36.18) v1(75.29,33.39) v1(75.29,20.44) v1(75.29,17.65) v1(77.96,94.19) v1(77.96,78.45) v1(77.96,62.71) v1(77.96,46.97) v1(77.96,31.23) v1(77.96,15.49) v1(80.5,90.38) v1(80.5,74.64) v1(80.5,58.9) v1(80.5,43.16) v1(80.5,27.42) v1(80.5,11.68) v1(83.93,86.06) v1(83.93,70.32) v1(83.93,54.58) v1(83.93,38.84) v1(83.93,23.1) v1(83.93,7.36) v1(91.93,86.82) v1(91.93,71.08) v1(91.93,55.34) v1(91.93,39.6) v1(91.93,23.86) v1(91.93,8.12) v1(113.01,86.19) v1(113.01,70.45) v1(113.01,54.71) v1(113.01,38.97) v1(113.01,23.23) v1(113.01,7.49) v1(113.06,96.43) v1(113.06,80.69) v1(113.06,64.95) v1(113.06,49.21) v1(113.06,33.47) v1(113.06,17.73) v1(120.25,99.14) v1(120.25,96.34) v1(120.25,83.4) v1(120.25,80.61) v1(120.25,67.66) v1(120.25,64.87) v1(120.25,51.92) v1(120.25,49.12) v1(120.25,36.18) v1(120.25,33.39) v1(120.25,20.44) v1(120.25,17.65) v1(122.91,94.19) v1(122.91,78.45) v1(122.91,62.71) v1(122.91,46.97) v1(122.91,31.23) v1(122.91,15.49) v1(125.45,90.38) v1(125.45,74.64) v1(125.45,58.9) v1(125.45,43.16) v1(125.45,27.42) v1(125.45,11.68) v1(128.88,86.06) v1(128.88,70.32) v1(128.88,54.58) v1(128.88,38.84) v1(128.88,23.1) v1(128.88,7.36) v1(136.88,86.82) v1(136.88,71.08) v1(136.88,55.34) v1(136.88,39.6) v1(136.88,23.86) v1(136.88,8.12)
